# Altium PCB 11BRANMB10H_20170919.pcbdoc (part 3 of 7)
Units mm, origin at the board's own origin, x right, y up, seen from the top; angles counter-clockwise.
Board outline 91.65 x 48.25 mm, 6 copper layers (TOP, GND1, Singal, POWER, GND2, BOTTOM), stack 0.8 mm thick; 367 components, 288 nets, 1408 pads, 965 vias.
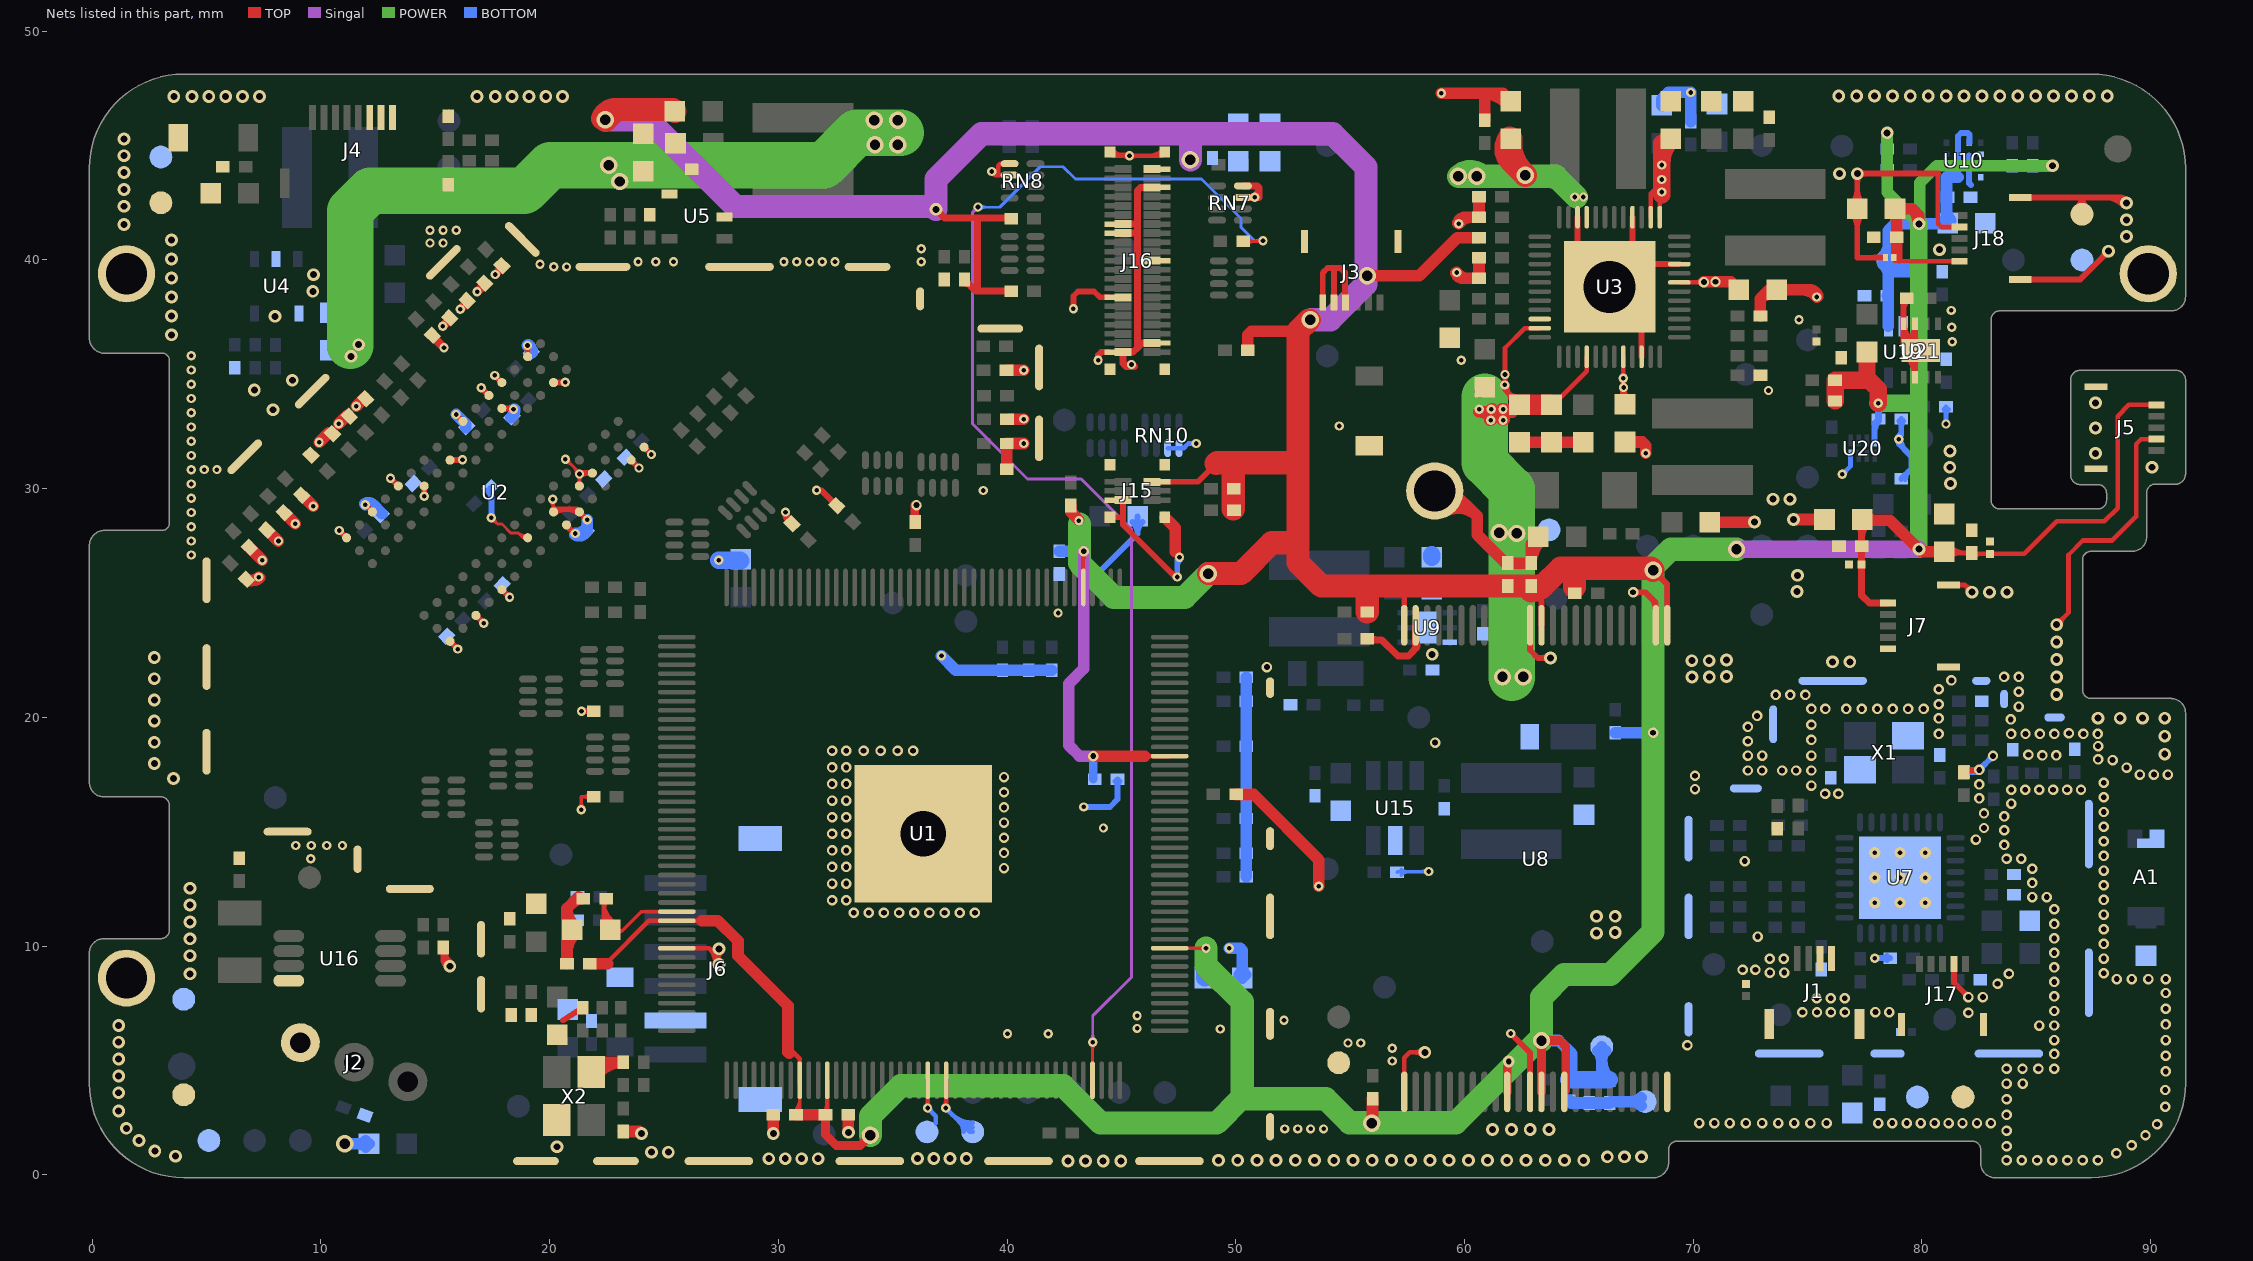
[diagram p7: the nets of this part, all layers, seen from the top]

## Via types
v1: diameter 0.406, hole 0.203, TOP to BOTTOM, tented both sides, 427 vias
v2: diameter 0.457, hole 0.254, TOP to BOTTOM, tented both sides, 256 vias
v3: diameter 0.559, hole 0.305, TOP to BOTTOM, tented both sides, 192 vias
v4: diameter 0.762, hole 0.457, TOP to BOTTOM, tented both sides, 69 vias
v5: diameter 0.61, hole 0.33, TOP to BOTTOM, tented both sides, 11 vias
v6: diameter 0.5, hole 0.2, TOP to BOTTOM, 9 vias
v7: diameter 0.508, hole 0.254, TOP to BOTTOM, tented both sides, 1 vias

## Nets (pads, with @x,y where several pads share a name; then routed paths per layer and width w, separated by ;. In a path a pad name is that pad's centre, name@x,y a point inside that pad or via, vN(x,y) a via of type N, cw(c..) or ccw(c..) an arc to the next point about the centre after c; other vN are vias at no path point) (continued)
GND: A1.1 A1.3@89.8,14.5 C2.1 C3.1 C4.1 C5.1 C7.1 C8.1 C9.1 C10.1 C15.2 C16.1 C17.1 C18.1 C19.1 C20.1 C21.1 C22.1 C23.1 C24.1 C25.1 C26.1 C27.1 C28.1 C29.1 C30.1 C31.1 C32.1 C33.1 C34.1 C35.1 C36.1 C37.1 C38.1 C39.2 C40.1 C41.1 C44.2 C45.2 C46.2 C47.2 C48.2 C49.2 C50.2 C51.2 C52.2 C53.2 C54.2 C55.2 C56.2 C57.2 C59.1 C60.2 C61.2 C62.1 C63.1 C64.2 C65.2 C66.2 C67.2 C68.2 C69.1 C70.1 C71.1 C83.1 C84.2 C85.2 C86.2 C87.2 C88.2 C89.2 C90.2 C91.2 C92.2 C93.2 C94.2 C95.2 C96.2 C97.2 C98.2 C99.2 C100.2 C101.2 C102.2 C103.2 C104.2 C105.2 C106.2 C111.1 C116.1 C117.2 C120.1 C121.1 C122.1 C123.1 C142.1 C145.1 C146.1 C148.1 C152.1 C154.1 C155.1 C156.2 C157.2 C158.1 C159.2 C174.2 C175.2 C176.2 C204.1 C207.1 C208.1 C209.1 C215.2 C216.2 C220.2 C221.2 C225.2 C226.2 C227.2 C228.2 C235.2 C236.2 C237.2 C238.2 C240.1 C241.2 C242.2 C243.1 C244.1 C246.2 C247.2 C248.1 C249.1 C250.2 C251.1 C252.1 C253.1 D2.2 D4.1 D5.2 D6.2 D7.2 D8.2 D13.2 D14.2 D15.2 D19.2 D20.2 J1.3 J1.4 J1.5 J1.6 J2.3 J3.4 J3.5 J3.6 J3.7 J3.8 J4.6 J4.7 J4.8 J5.4 J5.6 J5.7 J6.2 J6.7 J6.8 J7.1 J7.6 J7.7 J15.6 J15.7 J15.8 J15.9 J15.10 J16.5 J16.14 J16.16 J16.21 J16.30 J16.39 J16.42 J16.43 J16.44 J16.45 J16.46 J17.4 J17.6 J17.7 J18.4 J18.6 J18.7 pad.0 pad.1 R1.1 R2.1 R12.1 R17.1 R19.1 R28.2 R35.2 R50.1 R71.1 R90.1 R91.1 R94.1 R151.1 R155.1 R160.2 R178.1 R180.2 R188.1 R190.2 R210.2 RN7.3 RN7.4 RN8.1 RN8.2 RN10.1 RN10.2 TP4.1 TP15.1 TP16.1 TP17.1 TP18.1 TP19.1 TP20.1 TP21.1 TP22.1 TP24.1 TP56.1 U1.79 U1.177 U2.A9 U2.B1 U2.B3 U2.B9 U2.D1 U2.D8 U2.E1 U2.E2 U2.E8 U2.F9 U2.G1 U2.G8 U2.G9 U2.J2 U2.J8 U2.L2 U2.M1 U2.M9 U2.P1 U2.P9 U2.T1 U2.T9 U3.9 U3.16 U3.22 U3.46 U3.49 U4.2 U5.2 U7.33 U8.2 U8.13 U8.23 U8.25 U8.36 U8.48 U9.3 U9.7 U10.5 U10.6 U10.7 U10.8 U15.2 U16.4 U19.2 U20.4 U21.2 U21.7 U21.8 U21.9 X1.2 X1.4 X2.2 X2.4 | length 299.2
  TOP w0.127: v1@17.453,28.586 cw(c17.453,28.248) 17.691,28.487 cw(c17.929,28.725) v1@17.592,28.725 ; v1(17.453,28.725) 17.722,28.456 17.91,28.456 18.312,28.054 18.642,28.054 ; 18.78,27.916 ccw(c18.949,28.085) U2.J8@19.036,27.863 ; U2.J8@18.99,27.981 cw(c18.872,28.284) 18.642,28.054 ; U2.J8@19.039,27.854 18.843,27.854 18.642,28.054 ; v1@20.069,29.417 cw(c19.966,29.239) 20.165,29.292 ; U2.G8@20.139,29.034 v1(20.139,29.538) 20.17,29.507 U2.G8@20.17,28.985 ; 20.139,29.239 cw(c19.916,29.239) 20.074,29.082 ccw(c19.841,29.315) 20.17,29.315 ccw(c20.5,29.315) 20.267,29.082 cw(c20.575,29.39) v1@20.139,29.39 ; U2.G8@20.17,29.126 ccw(c19.726,29.126) 20.04,29.439 cw(c19.802,29.201) 20.139,29.201 cw(c20.476,29.201) 20.238,29.439 ccw(c20.401,29.276) 20.17,29.276 ; 20.18,29.236 cw(c20.38,29.289) v1@20.236,29.438 ; v1@20.689,31.151 cw(c20.689,30.753) 20.971,31.034 ; v1(20.689,31.291) 20.714,31.291 v1@21.323,30.682 ; v1@20.828,31.291 ccw(c21.104,31.291) 20.909,31.096 ; 21.028,30.977 cw(c20.693,30.642) v1@21.167,30.642 ; 21.165,30.84 ccw(c21.306,30.982) v1@21.306,30.782 ; v1@21.221,30.532 cw(c21.119,30.401) 21.278,30.359 ; v1@21.224,30.529 cw(c21.132,30.405) 21.282,30.365 ; v1@21.237,30.521 cw(c21.162,30.392) 21.306,30.43 ; 21.293,30.412 cw(c21.466,30.365) 21.376,30.521 ccw(c21.463,30.37) 21.295,30.415 ; U2.E8@21.302,30.294 cw(c21.655,30.294) 21.405,30.543 ccw(c21.644,30.305) 21.306,30.305 ccw(c20.969,30.305) 21.208,30.543 cw(c20.98,30.316) U2.E8@21.302,30.316 ; 21.306,30.435 ccw(c21.62,30.435) 21.398,30.213 cw(c21.631,30.446) 21.302,30.446 cw(c20.972,30.446) 21.205,30.213 ccw(c20.961,30.457) v1@21.306,30.457 ; 21.321,30.373 cw(c21.452,30.409) v1@21.38,30.523 ; U2.E8@21.302,30.165 U2.E8@21.306,30.165 ; U2.E8@21.302,30.165 v1@21.302,30.637 ; U2.E8@21.302,30.165 U2.E8@21.302,30.117 U2.E8@21.306,30.165 ; v1@21.302,30.637 v1(21.306,30.642) v1@21.323,30.682 ; v1@21.302,30.637 v1(21.306,30.642) ; U2.E8@21.306,30.165 v1(21.306,30.642) ; v1(21.306,30.642) v1@21.323,30.682 ; C35.1@35.97,28.649 35.98,28.6 35.98,28.64 C35.1@35.97,28.649
  TOP w0.14: U2.G8@20.139,29.034 U2.G8@20.17,28.985
  TOP w0.152: v1@21.295,16.049 ccw(c21.078,16.266) 21.385,16.266 ccw(c21.692,16.266) v1@21.475,16.049 ; v1(21.385,15.959) 21.385,16.522 21.399,16.535 C36.1@21.863,16.535 ; v1(21.394,20.265) 21.403,20.274 C33.1@21.863,20.274 ; v1@21.474,20.364 ccw(c21.6,20.521) 21.652,20.327 ccw(c21.71,20.11) v1@21.508,20.209 ; v1@21.484,20.175 cw(c21.722,19.937) C33.1@21.722,20.274 ; v1@21.484,20.355 ccw(c21.68,20.55) C33.1@21.68,20.274 ; v1@21.494,20.185 cw(c21.591,20.107) 21.624,20.228 cw(c21.671,20.404) v1@21.508,20.322 ; C36.1@21.75,16.413 ccw(c21.453,16.116) 21.453,16.535 ccw(c21.453,16.955) C36.1@21.75,16.658 ; C33.1@21.75,20.151 ccw(c21.453,19.854) 21.453,20.274 ccw(c21.453,20.693) C33.1@21.75,20.396
  TOP w0.2: v1@47.437,27.013 ccw(c47.162,27.048) 47.358,27.244 47.54,27.062 v1(47.54,27)
  TOP w0.203: U1.79@25.56,9.908 26.981,9.908 ; v3@27.23,9.212 ccw(c26.371,9.298) 26.981,9.908 ; v3@27.281,9.32 ccw(c27.131,9.47) 27.343,9.47 ; 27.285,9.604 cw(c26.923,9.243) v3@27.432,9.192 ; v3@27.343,9.241 27.343,9.546 ; v3@27.343,9.298 cw(c27.989,9.298) v3@27.532,9.755 ; 27.343,9.54 cw(c27.526,9.54) v3@27.465,9.713 ; v3@27.47,9.361 cw(c27.542,9.546) 27.343,9.546 ; v1(39.331,43.866) 39.488,43.709 ; v1@39.339,43.764 cw(c39.353,43.575) 39.488,43.709 ; v1@39.433,43.858 ccw(c39.622,43.844) 39.488,43.709 ; v1@39.433,43.875 ccw(c39.615,43.893) 39.615,43.709 ; RN8.1@39.851,44.163 ccw(c39.765,43.97) 39.615,44.12 ; RN8.2@40.113,43.709 39.615,43.709 ; RN8.1@40.113,44.209 39.705,44.209 39.615,44.12 ; J16.45@44.456,44.656 ccw(c44.707,44.907) J16.45@44.707,44.551 ; J16.45@44.505,44.72 44.674,44.551 v1(45.355,44.551) 46.726,44.551 J16.43@46.895,44.72 ; J16.45@44.599,44.799 ccw(c45.198,45.398) v1@45.198,44.551 ; 45.013,44.601 ccw(c45.112,44.972) v1@45.305,44.639 ; v1@45.284,44.48 ccw(c45.11,44.306) 45.11,44.551 ccw(c45.11,44.797) v1@45.284,44.623 ; v1@45.427,44.48 cw(c45.601,44.306) 45.601,44.551 cw(c45.601,44.797) v1@45.427,44.623 ; 46.202,44.551 ccw(c46.202,45.398) J16.43@46.801,44.799 ; J16.43@46.693,44.551 ccw(c46.693,44.907) J16.43@46.944,44.656 ; U8.25@57.367,3.624 57.367,5.117 57.605,5.355 v3(58.266,5.355) ; v3@58.14,5.229 ccw(c57.837,4.926) 57.837,5.355 ccw(c57.837,5.784) v3@58.14,5.481 ; 80.7,43.774 80.7,41.6 80.858,41.442 J18.4@81.648,41.442 ; J7.7@81.17,25.79 81.879,25.79 v3(82.193,25.476) ; v3@82.015,25.476 ccw(c81.586,25.476) 81.889,25.78 ccw(c82.193,26.083) v3@82.193,25.654 ; v3(85.894,24.054) 86.409,24.569 86.409,27.102 87.044,27.737 88.32,27.737 89.369,28.786 89.369,31.953 89.581,32.164 J5.4@90.263,32.164 ; v3@85.894,24.231 ccw(c85.894,24.661) 86.197,24.357 ccw(c86.501,24.054) v3@86.072,24.054 ; 26.981,9.908 27.208,9.681 27.343,9.546 ; 39.488,43.709 39.615,43.709 ; 39.615,43.709 39.615,43.866 39.615,44.12 ; v3@27.281,9.755 cw(c27.131,9.605) 27.343,9.605 ccw(c27.131,9.605) v3@27.281,9.755
  TOP w0.254: v1(10.799,28.173) U2.T1@11.12,27.854 ; v1(11.941,29.295) U2.P1@12.251,28.985 ; v1(13.045,30.454) U2.M1@13.382,30.116 ; v1(14.513,29.668) U2.L2@14.513,30.117 ; C31.1@15.267,9.802 cw(c15.057,9.592) 15.354,9.592 cw(c15.651,9.592) C31.1@15.441,9.802 ; 15.354,9.457 ccw(c15.866,9.457) v3@15.576,9.035 ; v3@15.481,9.119 ccw(c15.113,9.119) 15.373,9.379 ccw(c15.633,9.639) v3@15.633,9.271 ; v3(15.633,9.119) 15.354,9.398 C31.1@15.354,9.939 ccw(c16.197,9.939) v3@15.72,9.244 ; U2.T9@15.645,23.328 v1(15.986,22.987) ; U2.J2@15.645,31.248 16.165,31.248 v1(16.188,31.27) ; v1(15.909,33.246) U2.G1@16.21,32.945 ; 15.949,31.248 ccw(c15.949,31.509) v1@16.134,31.324 ; U2.P9@16.776,24.46 v1(17.117,24.118) ; v1(17.005,34.413) U2.E1@17.342,34.076 ; v1(17.597,34.952) U2.D1@17.908,34.642 ; U2.M9@17.907,25.591 v1(18.249,25.249) ; U2.E2@17.908,33.511 v1@18.385,33.511 ; 18.147,33.511 cw(c18.147,33.197) v1@18.369,33.419 ; v1@18.977,36.207 cw(c18.827,36.057) 19.039,36.057 ; v1(19.031,36.261) 19.039,36.253 U2.B1@19.039,35.773 ; U2.G8@20.17,28.985 20.287,29.102 21.185,29.102 U2.F9@21.302,28.985 v1(21.643,28.644) ; U2.B3@20.17,34.642 v1(20.683,34.649) ; U2.G8@20.222,28.933 cw(c20.629,28.526) 20.629,29.102 ; 20.573,6.756 R2.1@21.424,7.29 ; U2.G9@20.736,28.419 20.736,28.378 21.074,28.04 v1(21.121,28.04) ; U2.G9@20.809,28.419 ccw(c21.085,28.419) 20.89,28.224 ; 20.843,29.102 cw(c20.843,28.527) U2.F9@21.25,28.934 ; 20.912,28.202 ccw(c21.121,28.411) v1@21.121,28.116 ; 21.09,7.08 cw(c21.327,6.702) R2.1@21.426,7.137 ; R2.1@21.31,7.163 R2.1@21.454,7.307 ; v1@21.323,30.682 U2.D8@21.867,30.682 ; v1@21.36,30.588 cw(c21.587,30.361) 21.587,30.682 ; U2.B9@23.564,31.248 v1(23.906,30.906) ; U2.A9@24.13,31.814 v1(24.45,31.494) ; v1(30.31,28.977) 30.31,28.756 30.555,28.511 cw(c30.968,28.924) v1@30.386,28.971 ; C49.2@30.439,28.504 ccw(c30.142,28.504) 30.352,28.714 ccw(c30.562,28.924) C49.2@30.562,28.627 ; v1(31.672,29.929) 31.88,29.929 C34.1@32.51,29.299 ; C34.1@32.394,29.292 ccw(c32.097,29.292) 32.307,29.502 ccw(c32.517,29.712) C34.1@32.517,29.415 ; v1(42.901,37.871) 42.901,38.424 43.104,38.627 43.803,38.627 44.06,38.37 J16.30@44.475,38.37 ; v1(43.98,35.611) 43.98,35.839 44.11,35.97 J16.42@44.475,35.97 ; v1@44.049,35.642 cw(c44.319,35.761) 44.11,35.97 ; J15.10@44.505,28.75 45.062,28.75 45.065,28.753 ; J15.10@44.581,28.674 cw(c44.766,28.489) 44.766,28.75 cw(c44.766,29.011) J15.10@44.581,28.826 ; J15.6@45.065,29.5 45.065,28.753 ; 47.161,26.327 ccw(c47.438,26.604) v1@47.438,26.213 ; v1(47.438,26.136) 47.352,26.136 45.065,28.424 45.065,28.753 ; J3.6@53.8,38.15 53.8,39.437 54.013,39.649 54.3,39.649 ; J3.5@54.3,38.15 54.3,39.649 ; J3.4@54.8,38.15 54.775,38.175 54.775,39.446 54.571,39.649 54.3,39.649 ; v1(62.025,6.18) 62.867,5.338 U8.36@62.867,3.624 ; U8.13@62.873,24.03 U8.13@62.867,24.024 62.867,22.942 63.208,22.602 v3(63.767,22.602) ; v3@63.659,22.494 ccw(c63.399,22.234) 63.399,22.602 ccw(c63.399,22.97) v3@63.659,22.709 ; U3.49@64.943,40.219 U3.22@64.943,41.869 ; U3.16@67.343,41.869 67.343,39.819 U3.9@69.393,39.819 ; v2(67.373,25.47) 67.905,25.47 68.367,25.008 U8.2@68.367,24.024 ; v2@67.445,25.398 cw(c67.619,25.224) 67.619,25.47 cw(c67.619,25.715) v2@67.445,25.541 ; U3.46@67.743,35.769 U3.49@67.743,37.419 ; 68.185,25.19 cw(c67.771,24.776) U8.2@68.357,24.776 ; C252.1@76.946,42.013 cw(c76.395,41.462) 77.175,41.462 cw(c77.954,41.462) C252.1@77.403,42.013 ; C252.1@76.946,42.47 ccw(c76.395,43.021) 77.175,43.021 ccw(c77.954,43.021) C252.1@77.403,42.47 ; v3@77.067,43.667 cw(c76.807,43.407) 77.175,43.407 cw(c77.542,43.407) 77.282,43.667 cw(c77.542,43.407) 77.542,43.774 cw(c77.542,44.142) v3@77.282,43.882 ; 77.9,40.1 77.175,40.1 C252.1@77.175,42.241 v3(77.175,43.774) 80.7,43.774 ; 77.926,40.107 D20.2@78.409,40.107 ; U21.9@79.202,36.444 ccw(c79.776,36.444) U21.9@79.549,35.917 ; 79.202,36.83 ccw(c79.942,36.83) U21.9@79.649,36.15 ; U21.8@79.202,37.216 ccw(c80.109,37.216) U21.9@79.75,36.383 ; 79.202,37.833 cw(c79.778,37.833) C238.2@79.371,38.24 ; C238.2@79.334,38.327 79.202,38.195 U21.8@79.202,37.216 79.202,36.189 79.651,35.74 U21.9@79.678,35.712 ; U21.9@79.338,35.777 cw(c78.46,34.899) U21.2@79.702,34.899 ; U21.9@79.338,36.305 ccw(c78.46,37.183) U21.7@79.702,37.183 ; U21.9@79.518,35.957 cw(c79.073,35.512) 79.702,35.512 ; U21.9@79.518,36.125 ccw(c79.073,36.57) 79.702,36.57 ; U21.2@79.702,34.866 79.702,35.791 U21.9@79.952,36.041 79.702,36.291 U21.7@79.702,37.216 ; 79.702,35.382 cw(c80.261,35.382) U21.9@79.866,35.777 ; 79.702,36.7 ccw(c80.261,36.7) U21.9@79.866,36.305 ; J17.4@81.4,9.225 81.4,8.405 v2(82.033,7.772) ; C244.1@81.826,17.594 81.935,17.704 v2(82.511,17.704) ; C244.1@81.913,17.557 cw(c82.266,17.203) 82.266,17.704 ; v2@81.931,7.772 ccw(c81.686,7.772) 81.86,7.946 ccw(c82.033,8.119) v2@82.033,7.874 ; v2@82.44,17.632 ccw(c82.266,17.459) 82.266,17.704 ; v2@82.44,17.776 cw(c82.266,17.949) 82.266,17.704 ; J18.6@84.298,39.152 86.921,39.152 v3(88.154,40.386) ; J18.7@84.298,42.732 87,42.732 ; TP18.1@86.781,42.302 ccw(c86.468,42.732) 87,42.732 ; TP18.1@87,42 87,42.732 ; TP18.1@87.219,42.302 cw(c87.532,42.732) 87,42.732 ; 87.999,42.732 cw(c87.999,41.551) v3@88.834,42.386 ; v3@88.002,40.386 cw(c87.634,40.386) 87.894,40.126 cw(c88.154,39.865) v3@88.154,40.233 ; 88.612,42.732 cw(c88.612,42.165) v3@89.014,42.566 ; v3@88.79,42.504 ccw(c88.495,42.523) 88.704,42.732 ; v3@88.932,42.646 cw(c88.913,42.941) 88.704,42.732 ; v3(88.942,42.494) 88.704,42.732 ; 87,42.732 88.704,42.732
  TOP w0.305: J16.42@45.065,35.941 45.065,35.484 ; J16.42@45.065,35.97 45.514,35.97 45.695,36.15 ; J16.16@45.065,41.17 45.691,41.17 ; J16.14@45.065,41.57 45.691,41.57 ; v1@45.398,35.46 cw(c45.199,35.584) 45.199,35.35 ; v1@45.408,35.471 cw(c45.243,35.663) 45.065,35.484 ; v1@45.58,35.35 45.441,35.35 45.199,35.35 ; J16.39@46.335,36.37 45.914,36.37 45.695,36.15 ; J16.21@46.335,39.97 45.836,39.97 45.695,39.829 ; J16.5@46.335,43.17 45.836,43.17 45.695,43.029 45.695,39.829 ; RN7.3@50.31,42.738 50.315,42.742 50.825,42.742 51.016,42.742 51.016,42.748 51.016,43.173 ; RN7.4@50.31,43.238 50.952,43.238 51.016,43.173 ; v1@50.799,42.792 ccw(c50.571,43.173) 51.016,43.173 ; C111.1@55.757,23.444 C111.1@55.753,23.44 55.799,23.393 56.375,23.393 57.086,22.682 57.545,22.682 57.867,23.004 ; C111.1@55.872,23.509 ccw(c56.15,23.787) 56.15,23.393 ; 57.703,22.839 ccw(c57.269,23.273) U8.23@57.882,23.273 ; U8.23@57.869,24.022 U8.23@57.867,24.024 57.867,23.004 ; U8.23@57.878,23.282 cw(c57.722,23.149) 57.867,23.004 ; 45.065,35.484 45.199,35.35 ; 45.695,36.15 45.695,39.829
  TOP w0.381: C102.2@14.913,36.661 14.913,36.635 v1(15.38,36.168) ; v1(15.329,37.107) 15.645,37.423 C103.2@15.675,37.423 ; v1(16.091,37.844) C104.2@16.436,38.184 ; v1(16.828,38.606) 17.169,38.947 C105.2@17.199,38.947 ; v1(17.615,39.368) C106.2@17.96,39.708 ; 35.966,29.003 cw(c36.321,29.008) v2@36.066,29.256 ; C35.1@35.98,28.6 35.97,28.649 v2@35.963,29.183 ; v2@35.963,29.183 35.963,29.282 v2(36.039,29.282) v2@35.963,29.183
  TOP w0.508: C90.2@6.776,25.996 ccw(c6.904,26.508) v1(7.278,26.135) 7.136,25.993 C90.2@6.785,25.993 ; C91.2@6.912,27.39 v1(7.43,26.871) ; C90.2@7.057,25.993 ccw(c7.057,26.355) v1@7.313,26.099 ; C92.2@7.674,28.152 7.699,28.152 v1(8.141,27.709) ; C93.2@8.436,28.914 v1(8.878,28.471) ; C94.2@9.198,29.676 9.223,29.676 v1(9.665,29.233) ; v1(9.919,32.027) 10.341,32.449 C95.2@10.463,32.449 ; v1(10.783,32.84) 11.153,33.211 R90.1@11.2,33.211 ; v1(11.545,33.602) C83.1@11.91,33.973 ; C10.1@20.758,9.228 20.758,10.719 20.758,11.645 ; 20.758,9.678 cw(c22.034,9.678) C8.1@21.132,10.58 ; 21.013,11.9 cw(c21.421,11.492) C9.1@21.421,12.069 ; C8.1@21.119,10.869 cw(c21.772,11.645) 20.758,11.645 ; C9.1@21.275,12.162 20.758,11.645 ; X2.2@21.817,4.495 22.249,4.927 C38.1@23.214,4.927 ccw(c23.214,3.495) X2.2@22.089,4.381 ; C37.1@23.228,1.881 C37.1@23.214,1.895 23.923,1.895 v3(24.015,1.803) ; 23.732,1.895 cw(c23.732,1.52) v3@23.997,1.785 ; C17.1@29.775,2.624 29.781,2.618 v3(29.781,1.803) ; v3(33.061,1.858) C19.1@33.061,2.624 ; R94.1@39.985,30.859 C148.1@39.985,31.977 ; C84.2@40.031,35.18 v1(40.726,35.18) ; C148.1@40.045,31.977 v1(40.729,31.977) ; R91.1@40.054,33.042 v1(40.728,33.042) ; J15.8@46.895,28.75 47.358,28.287 47.358,27.244 ; C7.1@50.017,16.63 50.784,16.63 53.632,13.782 v1(53.632,12.616) ; pad.0@58.7,29.9 59.456,29.9 60.552,28.804 ; pad.0@58.926,29.467 cw(c59.376,28.606) 60.063,29.293 ; v1(58.991,47.288) 61.684,47.288 C67.2@62.025,46.948 ; pad.0@59.161,29.017 cw(c59.711,27.963) 60.552,28.804 ; v1@59.616,39.443 ccw(c59.92,39.511) 59.92,39.2 ; v1@59.63,39.418 ccw(c60.157,39.945) 60.157,39.2 ; v1(59.666,39.454) 59.92,39.2 ; v1@59.703,41.598 cw(c60.032,41.531) 60.032,41.867 ; v1@59.717,41.624 cw(c60.305,41.036) 60.305,41.867 ; v1(59.753,41.588) 60.032,41.867 ; C60.2@60.636,40.089 C59.1@60.636,39.2 59.92,39.2 ; C62.1@60.636,42.756 C71.1@60.636,41.867 60.032,41.867 ; C53.2@60.691,34.247 C53.2@60.882,34.438 ; 60.729,47.288 cw(c60.729,45.652) C67.2@61.886,46.809 ; R19.1@60.882,46.114 60.882,47.226 ; C207.1@61.649,26.895 ccw(c61.898,27.145) C207.1@61.898,26.792 ; C40.1@62.406,32.025 C68.2@63.803,32.025 C63.1@65.2,32.025 ; C40.1@62.545,31.886 cw(c62.879,31.551) 62.879,32.025 cw(c62.879,32.498) C40.1@62.545,32.163 ; C204.1@62.914,26.703 cw(c64.363,26.703) C45.2@63.366,27.755 ; C45.2@63.231,27.897 62.914,27.58 C204.1@62.914,26.746 C207.1@61.898,26.746 61.798,26.746 60.552,27.992 60.552,28.804 ; C68.2@63.664,31.886 ccw(c63.33,31.551) 63.33,32.025 ccw(c63.33,32.498) C68.2@63.664,32.163 ; C68.2@63.942,31.886 cw(c64.276,31.551) 64.276,32.025 cw(c64.276,32.498) C68.2@63.942,32.163 ; C63.1@65.061,31.886 ccw(c64.727,31.551) 64.727,32.025 ccw(c64.727,32.498) C63.1@65.061,32.163 ; C39.2@67.017,32.042 67.771,32.042 67.932,31.881 v1(67.932,31.547) ; C39.2@67.156,31.904 cw(c67.491,31.569) 67.491,32.042 cw(c67.491,32.515) C39.2@67.156,32.181 ; C44.2@70.724,28.532 72.682,28.532 v3@72.693,28.532 ; C44.2@70.863,28.393 cw(c71.198,28.059) 71.198,28.532 cw(c71.198,29.005) C44.2@70.863,28.671 ; R151.1@72.939,37.549 72.939,38.303 ; C47.2@73.605,38.5 ccw(c73.454,37.788) 72.939,38.303 ; C47.2@73.784,38.553 cw(c74.119,38.219) 74.119,38.692 cw(c74.119,39.165) C47.2@73.784,38.831 ; v3(74.388,28.651) C157.2@75.742,28.651 ; 74.767,38.692 cw(c74.767,37.747) v1@75.435,38.415 ; v1(75.399,38.379) 75.087,38.692 ; v1@75.449,38.388 ccw(c75.087,38.324) 75.087,38.692 ; C157.2@75.604,28.513 ccw(c75.269,28.178) 75.269,28.651 ccw(c75.269,29.124) C157.2@75.604,28.79 ; 72.939,38.303 73.328,38.692 C47.2@73.645,38.692 75.087,38.692
  BOTTOM w0.152: R190.2@57.053,13.229 57.085,13.261 v1(58.444,13.261) ; R190.2@57.226,13.106 cw(c57.601,12.731) 57.601,13.261 ; R190.2@57.226,13.352 ccw(c57.444,13.57) 57.444,13.261 ; v1@58.354,13.172 ccw(c58.137,12.955) 58.137,13.261 ccw(c58.137,13.568) v1@58.354,13.351
  BOTTOM w0.203: RN10.2@47.024,31.774 RN10.1@47.524,31.774 47.717,31.774 47.917,31.974 v1(48.273,31.974) ; v1@48.201,31.902 ccw(c48.027,31.729) 48.027,31.974 ccw(c48.027,32.219) v1@48.201,32.046 ; v1(76.521,30.632) 76.881,30.992 U20.4@76.881,31.44 ; v1@76.521,30.734 ccw(c76.521,30.979) 76.695,30.806 ccw(c76.868,30.632) v1@76.623,30.632 ; C236.2@80.951,33.474 cw(c80.697,33.221) 81.056,33.221 cw(c81.414,33.221) C236.2@81.161,33.474 ; v1@80.984,32.901 ccw(c80.81,33.074) 81.056,33.074 ccw(c81.301,33.074) v1@81.127,32.901 ; v1(81.056,32.829) C236.2@81.056,33.579
  BOTTOM w0.254: C96.2@17.288,29.922 cw(c16.89,29.524) 17.453,29.524 ; C96.2@17.41,30.044 17.453,30.002 v1(17.453,28.725) ; v1(43.356,16.086) 44.499,16.086 44.831,16.418 C18.1@44.831,17.293 ; 43.89,26.213 45.705,28.028 ; C18.1@44.744,17.206 cw(c44.534,16.996) 44.831,16.996 cw(c45.128,16.996) C18.1@44.918,17.206 ; C20.1@45.482,28.553 cw(c44.979,28.029) 45.705,28.029 ; C20.1@45.705,28.786 45.705,28.028 ; C20.1@45.929,28.553 ccw(c46.432,28.029) 45.705,28.029 ; v1(47.438,26.136) 47.438,26.898 v1(47.54,27) ; 47.438,26.571 cw(c47.969,26.571) v1@47.594,26.946 ; v1(77.944,9.474) C246.2@78.612,9.474 ; C246.2@78.475,9.387 ccw(c78.265,9.177) 78.265,9.474 ccw(c78.265,9.771) C246.2@78.475,9.561 ; v1@78.94,32.21 ccw(c78.555,32.596) 79.1,32.596 ; v1@78.968,32.228 ccw(c78.902,32.414) 79.1,32.414 ; C241.2@79.013,32.958 cw(c78.803,32.748) 79.1,32.748 cw(c79.397,32.748) C241.2@79.187,32.958 ; v1@79.062,32.19 cw(c79.238,32.276) 79.1,32.414 ; v1@79.07,32.156 ccw(c79.738,32.156) 79.266,31.684 ; C242.2@79.1,30.429 79.551,30.881 79.551,31.398 78.994,31.956 v1(78.994,32.156) 78.994,32.309 79.1,32.414 ; C241.2@79.1,33.045 79.1,32.414 ; C242.2@79.273,30.429 cw(c79.69,30.429) 79.395,30.725 ; C175.2@81.837,17.606 81.851,17.606 82.414,17.606 v2(82.511,17.704) 82.511,17.716 v2(83.109,18.313) ; C175.2@81.938,17.533 cw(c82.115,17.355) 82.115,17.606 ; C175.2@81.938,17.707 ccw(c82.181,17.949) 82.181,17.606 ; C175.2@82.03,17.606 ccw(c82.03,18.185) v2@82.44,17.776 ; 82.066,44.577 82.066,43.619 82.066,43.358 82.142,43.282 cw(c82.357,43.497) U10.8@82.074,43.608 ; v2@82.613,17.704 cw(c82.887,17.704) 82.693,17.898 ; v2@83.007,18.313 cw(c82.762,18.313) 82.935,18.14 cw(c83.109,17.966) v2@83.109,18.212